# Altium PCB Shuttler_AMC.PcbDoc (part 11 of 12)
Units mm, origin at the board's own origin, x right, y up, seen from the top; angles counter-clockwise.
Board outline 180.71 x 148.55 mm, 12 copper layers (Layer 1, Layer 2, Layer 3, Layer 4, Layer 5, Layer 6, Layer 7, Layer 8, Layer 9, Layer 10, Layer 11, Layer 12), stack 2.14 mm thick; 1184 components, 1698 nets, 9088 pads, 920 vias.
Unrouted connection lines stored in the file: 1441.
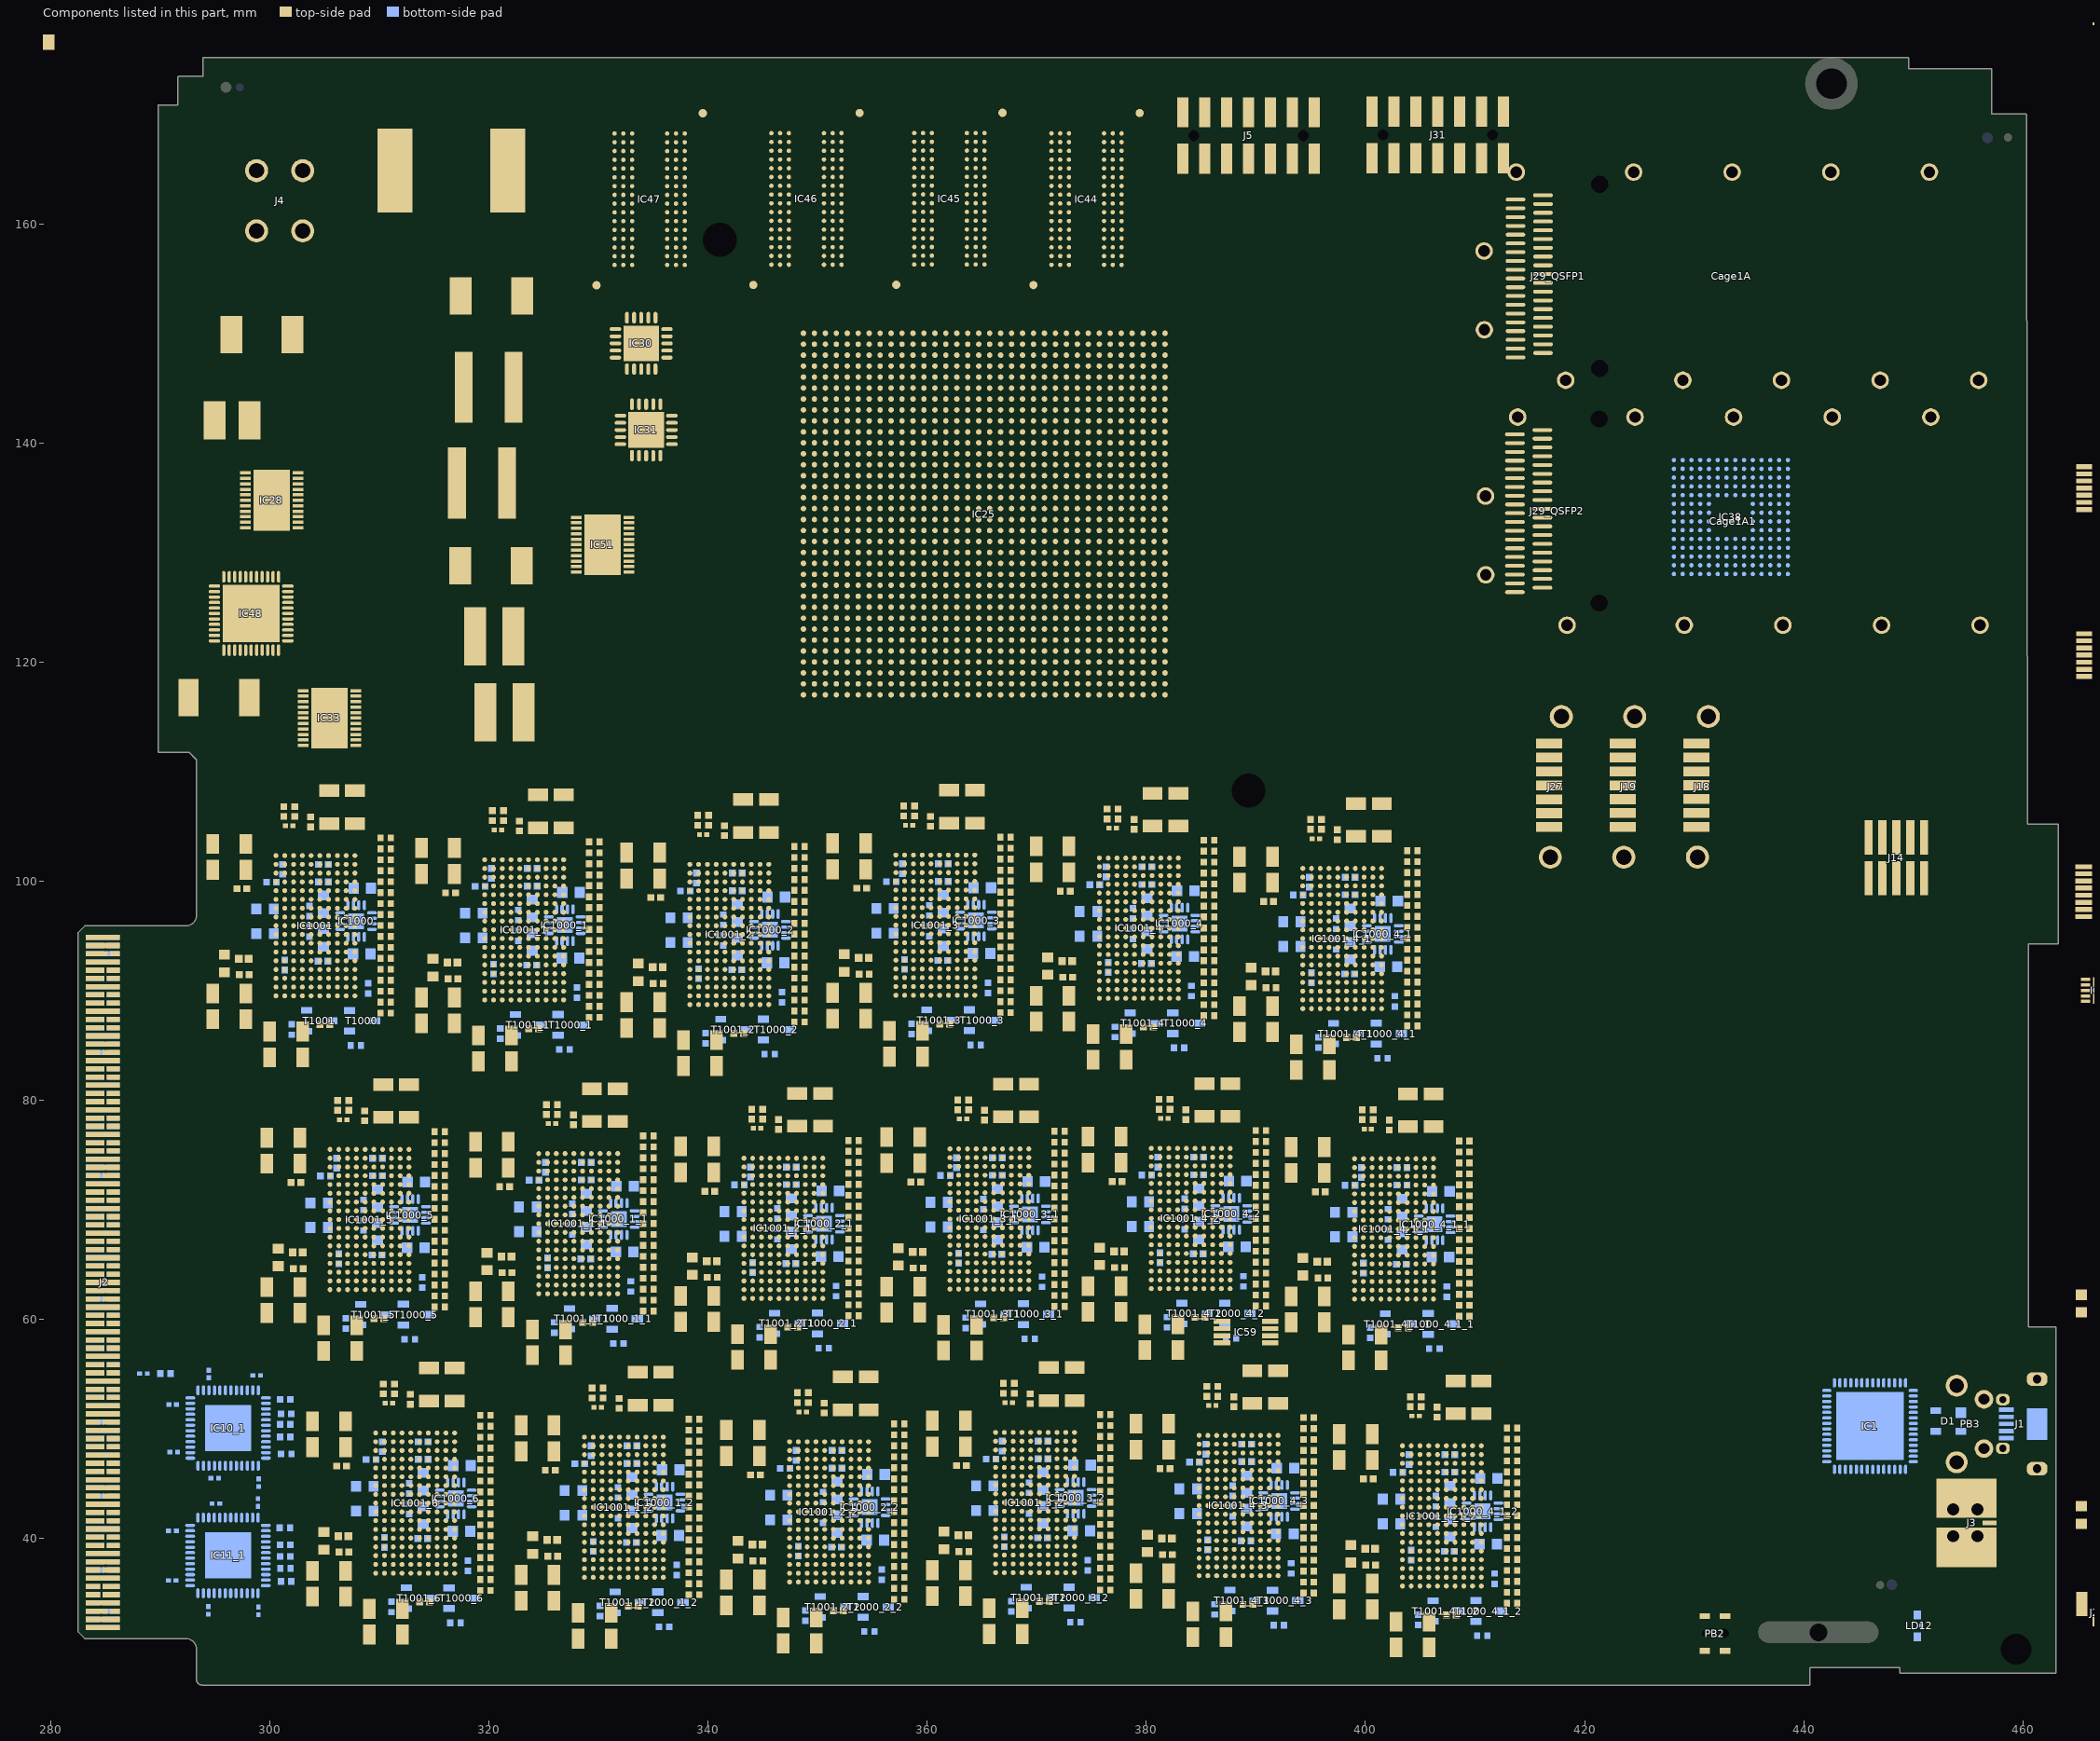
[diagram p17: the components of this part, seen from the top]

## Via types
v1: diameter 0.356, hole 0.155, Layer 1 to Layer 12, 431 vias
v2: diameter 0.3, hole 0.1, Layer 1 to Layer 12, 429 vias
v3: diameter 0.6, hole 0.3, Layer 1 to Layer 12, 38 vias
v4: diameter 0.406, hole 0.203, Layer 1 to Layer 12, 22 vias

## Nets (pads, with @x,y where several pads share a name; then routed paths per layer and width w, separated by ;. In a path a pad name is that pad's centre, name@x,y a point inside that pad or via, vN(x,y) a via of type N, cw(c..) or ccw(c..) an arc to the next point about the centre after c; other vN are vias at no path point) (continued)
copper on no net: (continued)
  Layer 1 w0.136: 382.919,90.125 383.172,90.125 385.05,88.247 385.695,88.247 385.953,88.505 385.973,88.505 386.195,88.727 386.195,88.747 v2(386.85,88.747) ; 382.919,90.925 383.247,90.925 384.925,89.247 385.694,89.247 385.953,89.506 385.973,89.506 386.195,89.728 ; 382.919,91.725 383.3,91.725 384.778,90.247 385.695,90.247 385.953,90.505 385.973,90.505 386.195,90.727 386.195,90.747 v2(386.85,90.747) ; 382.919,92.525 383.447,92.525 384.725,91.247 385.695,91.247 385.953,91.505 385.973,91.505 386.195,91.727 386.195,91.747 v2(386.85,91.747) ; 382.919,93.325 383.805,93.325 384.883,92.247 385.695,92.247 385.953,92.505 385.973,92.505 386.195,92.727 386.195,92.747 v2(386.85,92.747) ; 382.919,94.125 383.784,94.125 384.662,93.247 385.695,93.247 385.953,93.505 385.973,93.505 386.195,93.727 386.195,93.747 v2(386.85,93.747) ; 382.919,94.925 383.747,94.925 384.425,94.247 385.695,94.247 385.953,94.505 385.973,94.505 386.195,94.727 386.195,94.747 v2(386.85,94.747) ; 382.919,95.725 383.766,95.725 383.98,95.511 384.361,95.511 384.625,95.247 385.695,95.247 385.953,95.505 385.973,95.505 386.195,95.727 386.195,95.747 v2(386.85,95.747) ; 382.919,96.525 383.481,96.525 383.847,96.525 384.125,96.247 385.695,96.247 385.953,96.505 385.973,96.505 386.195,96.727 386.195,96.747 v2(386.85,96.747) ; 382.919,97.325 383.503,97.325 383.847,97.325 383.925,97.247 385.695,97.247 385.953,97.505 385.973,97.505 386.195,97.727 386.195,97.747 v2(386.85,97.747) ; 382.919,98.125 383.403,98.125 383.903,98.125 384.025,98.247 385.695,98.247 385.953,98.505 385.973,98.505 386.195,98.727 386.195,98.747 v2(386.85,98.747) ; 382.919,98.925 383.403,98.925 383.903,98.925 384.225,99.247 385.695,99.247 385.953,99.505 385.973,99.505 386.195,99.727 386.195,99.747 v2(386.85,99.747) ; 382.919,99.725 383.253,99.725 383.803,99.725 384.325,100.247 385.695,100.247 385.953,100.505 385.973,100.505 386.195,100.727 386.195,100.747 v2(386.85,100.747) ; 382.919,100.525 382.944,100.55 383.228,100.55 383.828,100.55 384.525,101.247 385.695,101.247 385.953,101.505 385.973,101.505 386.195,101.727 386.195,101.747 v2(386.85,101.747) ; 382.919,101.325 382.944,101.35 383.228,101.35 383.628,101.35 384.525,102.247 385.695,102.247 385.953,102.505 385.973,102.505 386.195,102.727 386.195,102.747 v2(386.85,102.747) ; 382.919,102.125 382.944,102.15 383.378,102.15 384.475,103.247 385.695,103.247 385.953,103.505 385.973,103.505 386.195,103.727 386.195,103.747 v2(386.85,103.747) ; 382.922,89.322 382.919,89.325 382.919,88.553 384.325,87.147 385.625,87.147 385.973,87.495 385.973,87.525 386.195,87.747 v2(386.85,87.747) ; 385.525,52.997 385.525,52.641 385.684,52.482 385.684,52.158 385.695,52.147 385.695,51.639 385.887,51.447 385.887,49.693 385.619,49.425 ; 386.195,89.748 386.195,89.728 ; 386.419,49.425 386.151,49.693 386.151,51.447 386.355,51.651 386.355,52.147 386.36,52.152 386.36,52.482 386.525,52.647 386.525,52.997 ; 386.85,63.222 387.931,63.222 388.181,62.972 388.181,62.197 389.131,61.247 389.986,61.247 ; 386.85,64.025 387.853,64.025 389.631,62.247 389.986,62.247 ; 386.85,64.825 387.978,64.825 389.555,63.248 389.986,63.248 ; 386.85,65.625 388.103,65.625 389.481,64.247 389.986,64.247 ; 386.85,66.425 388.353,66.425 389.531,65.247 389.986,65.247 ; 386.85,67.225 388.528,67.225 389.506,66.247 389.986,66.247 ; 386.85,68.025 388.478,68.025 389.256,67.247 389.986,67.247 ; 386.85,68.825 387.806,68.825 387.856,68.775 388.728,68.775 389.256,68.247 389.986,68.247 ; 386.85,69.625 388.431,69.625 388.809,69.247 389.986,69.247 ; 386.85,70.425 388.653,70.425 388.831,70.247 389.986,70.247 ; 386.85,71.222 389.961,71.222 389.986,71.247 ; 386.85,72.025 388.684,72.025 388.906,72.247 389.986,72.247 ; 386.85,72.825 388.584,72.825 389.006,73.247 389.986,73.247 ; 386.85,73.625 388.556,73.625 389.178,74.247 389.986,74.247 ; 386.85,74.425 386.857,74.432 388.483,74.432 389.298,75.247 389.986,75.247 ; 386.85,75.225 386.857,75.232 388.241,75.232 389.256,76.247 389.986,76.247 ; 386.85,75.625 388.472,77.247 389.986,77.247 ; v2(386.85,89.728) 386.195,89.728 ; 387.65,63.625 387.903,63.625 389.781,61.747 390.426,61.747 390.684,62.005 390.704,62.005 390.926,62.227 390.926,62.247 v2(391.581,62.247) ; 387.65,64.425 387.978,64.425 389.656,62.747 390.425,62.747 390.684,63.006 390.704,63.006 390.926,63.228 ; 387.65,65.225 388.031,65.225 389.509,63.747 390.426,63.747 390.684,64.005 390.704,64.005 390.926,64.227 390.926,64.247 v2(391.581,64.247) ; 387.65,66.025 388.178,66.025 389.456,64.747 390.426,64.747 390.684,65.005 390.704,65.005 390.926,65.227 390.926,65.247 v2(391.581,65.247) ; 387.65,66.825 388.536,66.825 389.614,65.747 390.426,65.747 390.684,66.005 390.704,66.005 390.926,66.227 390.926,66.247 v2(391.581,66.247) ; 387.65,67.625 388.515,67.625 389.393,66.747 390.426,66.747 390.684,67.005 390.704,67.005 390.926,67.227 390.926,67.247 v2(391.581,67.247) ; 387.65,68.425 388.478,68.425 389.156,67.747 390.426,67.747 390.684,68.005 390.704,68.005 390.926,68.227 390.926,68.247 v2(391.581,68.247) ; 387.65,69.225 388.497,69.225 388.711,69.011 389.092,69.011 389.356,68.747 390.426,68.747 390.684,69.005 390.704,69.005 390.926,69.227 390.926,69.247 v2(391.581,69.247) ; 387.65,70.025 388.212,70.025 388.578,70.025 388.856,69.747 390.426,69.747 390.684,70.005 390.704,70.005 390.926,70.227 390.926,70.247 v2(391.581,70.247) ; 387.65,70.825 388.234,70.825 388.578,70.825 388.656,70.747 390.426,70.747 390.684,71.005 390.704,71.005 390.926,71.227 390.926,71.247 v2(391.581,71.247) ; 387.65,71.625 388.134,71.625 388.634,71.625 388.756,71.747 390.426,71.747 390.684,72.005 390.704,72.005 390.926,72.227 390.926,72.247 v2(391.581,72.247) ; 387.65,72.425 388.134,72.425 388.634,72.425 388.956,72.747 390.426,72.747 390.684,73.005 390.704,73.005 390.926,73.227 390.926,73.247 v2(391.581,73.247) ; 387.65,74.025 387.675,74.05 387.959,74.05 388.559,74.05 389.256,74.747 390.426,74.747 390.684,75.005 390.704,75.005 390.926,75.227 390.926,75.247 v2(391.581,75.247) ; 387.65,74.825 387.675,74.85 387.959,74.85 388.359,74.85 389.256,75.747 390.426,75.747 390.684,76.005 390.704,76.005 390.926,76.227 390.926,76.247 v2(391.581,76.247) ; 387.65,75.625 387.675,75.65 388.109,75.65 389.206,76.747 390.426,76.747 390.684,77.005 390.704,77.005 390.926,77.227 390.926,77.247 v2(391.581,77.247) ; 387.65,73.225 387.984,73.225 388.534,73.225 389.056,73.747 390.426,73.747 390.684,74.005 390.704,74.005 390.926,74.227 390.926,74.247 v2(391.581,74.247) ; 387.653,62.822 387.65,62.825 387.65,62.053 389.056,60.647 390.356,60.647 390.704,60.995 390.704,61.025 390.926,61.247 v2(391.581,61.247) ; 390.926,63.248 390.926,63.228 ; 391.219,37.022 392.3,37.022 392.55,36.772 392.55,35.997 393.5,35.047 394.355,35.047 ; 391.219,37.825 392.222,37.825 394,36.047 394.355,36.047 ; 391.219,38.625 392.347,38.625 393.924,37.048 394.355,37.048 ; 391.219,39.425 392.472,39.425 393.85,38.047 394.355,38.047 ; 391.219,40.225 392.722,40.225 393.9,39.047 394.355,39.047 ; 391.219,41.025 392.897,41.025 393.875,40.047 394.355,40.047 ; 391.219,41.825 392.847,41.825 393.625,41.047 394.355,41.047 ; 391.219,42.625 392.175,42.625 392.225,42.575 393.097,42.575 393.625,42.047 394.355,42.047 ; 391.219,43.425 392.8,43.425 393.178,43.047 394.355,43.047 ; 391.219,44.225 393.022,44.225 393.2,44.047 394.355,44.047 ; 391.219,45.022 394.33,45.022 394.355,45.047 ; 391.219,45.825 393.053,45.825 393.275,46.047 394.355,46.047 ; 391.219,46.625 392.953,46.625 393.375,47.047 394.355,47.047 ; 391.219,47.425 392.925,47.425 393.547,48.047 394.355,48.047 ; 391.219,48.225 391.226,48.232 392.852,48.232 393.667,49.047 394.355,49.047 ; 391.219,49.025 391.226,49.032 392.61,49.032 393.625,50.047 394.355,50.047 ; 391.219,49.425 392.841,51.047 394.355,51.047 ; v2(391.581,63.228) 390.926,63.228 ; 392.019,37.425 392.272,37.425 394.15,35.547 394.795,35.547 395.053,35.805 395.073,35.805 395.295,36.027 395.295,36.047 v2(395.95,36.047) ; 392.019,38.225 392.347,38.225 394.025,36.547 394.794,36.547 395.053,36.806 395.073,36.806 395.295,37.028 ; 392.019,39.025 392.4,39.025 393.878,37.547 394.795,37.547 395.053,37.805 395.073,37.805 395.295,38.027 395.295,38.047 v2(395.95,38.047) ; 392.019,39.825 392.547,39.825 393.825,38.547 394.795,38.547 395.053,38.805 395.073,38.805 395.295,39.027 395.295,39.047 v2(395.95,39.047) ; 392.019,40.625 392.905,40.625 393.983,39.547 394.795,39.547 395.053,39.805 395.073,39.805 395.295,40.027 395.295,40.047 v2(395.95,40.047) ; 392.019,41.425 392.884,41.425 393.762,40.547 394.795,40.547 395.053,40.805 395.073,40.805 395.295,41.027 395.295,41.047 v2(395.95,41.047) ; 392.019,42.225 392.847,42.225 393.525,41.547 394.795,41.547 395.053,41.805 395.073,41.805 395.295,42.027 395.295,42.047 v2(395.95,42.047) ; 392.019,43.025 392.866,43.025 393.08,42.811 393.461,42.811 393.725,42.547 394.795,42.547 395.053,42.805 395.073,42.805 395.295,43.027 395.295,43.047 v2(395.95,43.047) ; 392.019,43.825 392.581,43.825 392.947,43.825 393.225,43.547 394.795,43.547 395.053,43.805 395.073,43.805 395.295,44.027 395.295,44.047 v2(395.95,44.047) ; 392.019,44.625 392.603,44.625 392.947,44.625 393.025,44.547 394.795,44.547 395.053,44.805 395.073,44.805 395.295,45.027 395.295,45.047 v2(395.95,45.047) ; 392.019,45.425 392.503,45.425 393.003,45.425 393.125,45.547 394.795,45.547 395.053,45.805 395.073,45.805 395.295,46.027 395.295,46.047 v2(395.95,46.047) ; 392.019,46.225 392.503,46.225 393.003,46.225 393.325,46.547 394.795,46.547 395.053,46.805 395.073,46.805 395.295,47.027 395.295,47.047 v2(395.95,47.047) ; 392.019,47.825 392.044,47.85 392.328,47.85 392.928,47.85 393.625,48.547 394.795,48.547 395.053,48.805 395.073,48.805 395.295,49.027 395.295,49.047 v2(395.95,49.047) ; 392.019,48.625 392.044,48.65 392.328,48.65 392.728,48.65 393.625,49.547 394.795,49.547 395.053,49.805 395.073,49.805 395.295,50.027 395.295,50.047 v2(395.95,50.047) ; 392.019,49.425 392.044,49.45 392.478,49.45 393.575,50.547 394.795,50.547 395.053,50.805 395.073,50.805 395.295,51.027 395.295,51.047 v2(395.95,51.047) ; 392.019,47.025 392.353,47.025 392.903,47.025 393.425,47.547 394.795,47.547 395.053,47.805 395.073,47.805 395.295,48.027 395.295,48.047 v2(395.95,48.047) ; 392.022,36.622 392.019,36.625 392.019,35.853 393.425,34.447 394.725,34.447 395.073,34.795 395.073,34.825 395.295,35.047 v2(395.95,35.047) ; 394.981,104.75 394.981,104.394 395.14,104.235 395.14,103.911 395.151,103.9 395.151,103.392 395.343,103.2 395.343,101.446 395.075,101.178 ; 395.295,37.048 395.295,37.028 ; 395.875,101.178 395.607,101.446 395.607,103.2 395.811,103.404 395.811,103.9 395.816,103.905 395.816,104.235 395.981,104.4 395.981,104.75 ; v2(395.95,37.028) 395.295,37.028 ; 399.712,78.25 399.712,77.894 399.871,77.735 399.871,77.411 399.882,77.4 399.882,76.892 400.074,76.7 400.074,74.946 399.806,74.678 ; 400.606,74.678 400.338,74.946 400.338,76.7 400.542,76.904 400.542,77.4 400.547,77.405 400.547,77.735 400.712,77.9 400.712,78.25 ; 400.675,88.775 401.756,88.775 402.006,88.525 402.006,87.75 402.956,86.8 403.811,86.8 ; 400.675,89.578 401.678,89.578 403.456,87.8 403.811,87.8 ; 400.675,90.378 401.803,90.378 403.38,88.801 403.811,88.801 ; 400.675,91.178 401.928,91.178 403.306,89.8 403.811,89.8 ; 400.675,91.978 402.178,91.978 403.356,90.8 403.811,90.8 ; 400.675,92.778 402.353,92.778 403.331,91.8 403.811,91.8 ; 400.675,93.578 402.303,93.578 403.081,92.8 403.811,92.8 ; 400.675,94.378 401.631,94.378 401.681,94.328 402.553,94.328 403.081,93.8 403.811,93.8 ; 400.675,95.178 402.256,95.178 402.634,94.8 403.811,94.8 ; 400.675,95.978 402.478,95.978 402.656,95.8 403.811,95.8 ; 400.675,96.775 403.786,96.775 403.811,96.8 ; 400.675,97.578 402.509,97.578 402.731,97.8 403.811,97.8 ; 400.675,98.378 402.409,98.378 402.831,98.8 403.811,98.8 ; 400.675,99.178 402.381,99.178 403.003,99.8 403.811,99.8 ; 400.675,99.978 400.682,99.985 402.308,99.985 403.123,100.8 403.811,100.8 ; 400.675,100.778 400.682,100.785 402.066,100.785 403.081,101.8 403.811,101.8 ; 400.675,101.178 402.297,102.8 403.811,102.8 ; 401.475,89.178 401.728,89.178 403.606,87.3 404.251,87.3 404.509,87.558 404.529,87.558 404.751,87.78 404.751,87.8 v2(405.406,87.8) ; 401.475,89.978 401.803,89.978 403.481,88.3 404.25,88.3 404.509,88.559 404.529,88.559 404.751,88.781 ; 401.475,90.778 401.856,90.778 403.334,89.3 404.251,89.3 404.509,89.558 404.529,89.558 404.751,89.78 404.751,89.8 v2(405.406,89.8) ; 401.475,91.578 402.003,91.578 403.281,90.3 404.251,90.3 404.509,90.558 404.529,90.558 404.751,90.78 404.751,90.8 v2(405.406,90.8) ; 401.475,92.378 402.361,92.378 403.439,91.3 404.251,91.3 404.509,91.558 404.529,91.558 404.751,91.78 404.751,91.8 v2(405.406,91.8) ; 401.475,93.178 402.34,93.178 403.218,92.3 404.251,92.3 404.509,92.558 404.529,92.558 404.751,92.78 404.751,92.8 v2(405.406,92.8) ; 401.475,93.978 402.303,93.978 402.981,93.3 404.251,93.3 404.509,93.558 404.529,93.558 404.751,93.78 404.751,93.8 v2(405.406,93.8) ; 401.475,94.778 402.322,94.778 402.536,94.564 402.917,94.564 403.181,94.3 404.251,94.3 404.509,94.558 404.529,94.558 404.751,94.78 404.751,94.8 v2(405.406,94.8) ; 401.475,95.578 402.037,95.578 402.403,95.578 402.681,95.3 404.251,95.3 404.509,95.558 404.529,95.558 404.751,95.78 404.751,95.8 v2(405.406,95.8) ; 401.475,96.378 402.059,96.378 402.403,96.378 402.481,96.3 404.251,96.3 404.509,96.558 404.529,96.558 404.751,96.78 404.751,96.8 v2(405.406,96.8) ; 401.475,97.178 401.959,97.178 402.459,97.178 402.581,97.3 404.251,97.3 404.509,97.558 404.529,97.558 404.751,97.78 404.751,97.8 v2(405.406,97.8) ; 401.475,97.978 401.959,97.978 402.459,97.978 402.781,98.3 404.251,98.3 404.509,98.558 404.529,98.558 404.751,98.78 404.751,98.8 v2(405.406,98.8) ; 401.475,98.778 401.809,98.778 402.359,98.778 402.881,99.3 404.251,99.3 404.509,99.558 404.529,99.558 404.751,99.78 404.751,99.8 v2(405.406,99.8) ; 401.475,99.578 401.5,99.603 401.784,99.603 402.384,99.603 403.081,100.3 404.251,100.3 404.509,100.558 404.529,100.558 404.751,100.78 404.751,100.8 v2(405.406,100.8) ; 401.475,100.378 401.5,100.403 401.784,100.403 402.184,100.403 403.081,101.3 404.251,101.3 404.509,101.558 404.529,101.558 404.751,101.78 404.751,101.8 v2(405.406,101.8) ; 401.475,101.178 401.5,101.203 401.934,101.203 403.031,102.3 404.251,102.3 404.509,102.558 404.529,102.558 404.751,102.78 404.751,102.8 v2(405.406,102.8) ; 401.478,88.375 401.475,88.378 401.475,87.606 402.881,86.2 404.181,86.2 404.529,86.548 404.529,86.578 404.751,86.8 v2(405.406,86.8) ; 404.081,52.05 404.081,51.694 404.24,51.535 404.24,51.211 404.251,51.2 404.251,50.692 404.443,50.5 404.443,48.746 404.175,48.478 ; 404.751,88.801 404.751,88.781 ; 404.975,48.478 404.707,48.746 404.707,50.5 404.911,50.704 404.911,51.2 404.916,51.205 404.916,51.535 405.081,51.7 405.081,52.05 ; 405.406,62.275 406.487,62.275 406.737,62.025 406.737,61.25 407.687,60.3 408.542,60.3 ; 405.406,63.078 406.409,63.078 408.187,61.3 408.542,61.3 ; 405.406,63.878 406.534,63.878 408.111,62.301 408.542,62.301 ; 405.406,64.678 406.659,64.678 408.037,63.3 408.542,63.3 ; 405.406,65.478 406.909,65.478 408.087,64.3 408.542,64.3 ; 405.406,66.278 407.084,66.278 408.062,65.3 408.542,65.3 ; 405.406,67.078 407.034,67.078 407.812,66.3 408.542,66.3 ; 405.406,67.878 406.362,67.878 406.412,67.828 407.284,67.828 407.812,67.3 408.542,67.3 ; 405.406,68.678 406.987,68.678 407.365,68.3 408.542,68.3 ; 405.406,69.478 407.209,69.478 407.387,69.3 408.542,69.3 ; 405.406,70.275 408.517,70.275 408.542,70.3 ; 405.406,71.078 407.24,71.078 407.462,71.3 408.542,71.3 ; 405.406,71.878 407.14,71.878 407.562,72.3 408.542,72.3 ; 405.406,72.678 407.112,72.678 407.734,73.3 408.542,73.3 ; 405.406,73.478 405.413,73.485 407.039,73.485 407.854,74.3 408.542,74.3 ; 405.406,74.278 405.413,74.285 406.797,74.285 407.812,75.3 408.542,75.3 ; 405.406,74.678 407.028,76.3 408.542,76.3 ; v2(405.406,88.781) 404.751,88.781 ; 406.206,62.678 406.459,62.678 408.337,60.8 408.982,60.8 409.24,61.058 409.26,61.058 409.482,61.28 409.482,61.3 v2(410.137,61.3) ; 406.206,63.478 406.534,63.478 408.212,61.8 408.981,61.8 409.24,62.059 409.26,62.059 409.482,62.281 ; 406.206,64.278 406.587,64.278 408.065,62.8 408.982,62.8 409.24,63.058 409.26,63.058 409.482,63.28 409.482,63.3 v2(410.137,63.3) ; 406.206,65.078 406.734,65.078 408.012,63.8 408.982,63.8 409.24,64.058 409.26,64.058 409.482,64.28 409.482,64.3 v2(410.137,64.3) ; 406.206,65.878 407.092,65.878 408.17,64.8 408.982,64.8 409.24,65.058 409.26,65.058 409.482,65.28 409.482,65.3 v2(410.137,65.3) ; 406.206,66.678 407.071,66.678 407.949,65.8 408.982,65.8 409.24,66.058 409.26,66.058 409.482,66.28 409.482,66.3 v2(410.137,66.3) ; 406.206,67.478 407.034,67.478 407.712,66.8 408.982,66.8 409.24,67.058 409.26,67.058 409.482,67.28 409.482,67.3 v2(410.137,67.3) ; 406.206,68.278 407.053,68.278 407.267,68.064 407.648,68.064 407.912,67.8 408.982,67.8 409.24,68.058 409.26,68.058 409.482,68.28 409.482,68.3 v2(410.137,68.3) ; 406.206,69.078 406.768,69.078 407.134,69.078 407.412,68.8 408.982,68.8 409.24,69.058 409.26,69.058 409.482,69.28 409.482,69.3 v2(410.137,69.3) ; 406.206,69.878 406.79,69.878 407.134,69.878 407.212,69.8 408.982,69.8 409.24,70.058 409.26,70.058 409.482,70.28 409.482,70.3 v2(410.137,70.3) ; 406.206,70.678 406.69,70.678 407.19,70.678 407.312,70.8 408.982,70.8 409.24,71.058 409.26,71.058 409.482,71.28 409.482,71.3 v2(410.137,71.3) ; 406.206,71.478 406.69,71.478 407.19,71.478 407.512,71.8 408.982,71.8 409.24,72.058 409.26,72.058 409.482,72.28 409.482,72.3 v2(410.137,72.3) ; 406.206,73.078 406.231,73.103 406.515,73.103 407.115,73.103 407.812,73.8 408.982,73.8 409.24,74.058 409.26,74.058 409.482,74.28 409.482,74.3 v2(410.137,74.3) ; 406.206,73.878 406.231,73.903 406.515,73.903 406.915,73.903 407.812,74.8 408.982,74.8 409.24,75.058 409.26,75.058 409.482,75.28 409.482,75.3 v2(410.137,75.3) ; 406.206,74.678 406.231,74.703 406.665,74.703 407.762,75.8 408.982,75.8 409.24,76.058 409.26,76.058 409.482,76.28 409.482,76.3 v2(410.137,76.3) ; 406.206,72.278 406.54,72.278 407.09,72.278 407.612,72.8 408.982,72.8 409.24,73.058 409.26,73.058 409.482,73.28 409.482,73.3 v2(410.137,73.3) ; 406.209,61.875 406.206,61.878 406.206,61.106 407.612,59.7 408.912,59.7 409.26,60.048 409.26,60.078 409.482,60.3 v2(410.137,60.3) ; 409.482,62.301 409.482,62.281 ; 409.775,36.075 410.856,36.075 411.106,35.825 411.106,35.05 412.056,34.1 412.911,34.1 ; 409.775,36.878 410.778,36.878 412.556,35.1 412.911,35.1 ; 409.775,37.678 410.903,37.678 412.48,36.101 412.911,36.101 ; 409.775,38.478 411.028,38.478 412.406,37.1 412.911,37.1 ; 409.775,39.278 411.278,39.278 412.456,38.1 412.911,38.1 ; 409.775,40.078 411.453,40.078 412.431,39.1 412.911,39.1 ; 409.775,40.878 411.403,40.878 412.181,40.1 412.911,40.1 ; 409.775,41.678 410.731,41.678 410.781,41.628 411.653,41.628 412.181,41.1 412.911,41.1 ; 409.775,42.478 411.356,42.478 411.734,42.1 412.911,42.1 ; 409.775,43.278 411.578,43.278 411.756,43.1 412.911,43.1 ; 409.775,44.075 412.886,44.075 412.911,44.1 ; 409.775,44.878 411.609,44.878 411.831,45.1 412.911,45.1 ; 409.775,45.678 411.509,45.678 411.931,46.1 412.911,46.1 ; 409.775,46.478 411.481,46.478 412.103,47.1 412.911,47.1 ; 409.775,47.278 409.782,47.285 411.408,47.285 412.223,48.1 412.911,48.1 ; 409.775,48.078 409.782,48.085 411.166,48.085 412.181,49.1 412.911,49.1 ; 409.775,48.478 411.397,50.1 412.911,50.1 ; v2(410.137,62.281) 409.482,62.281 ; 410.575,36.478 410.828,36.478 412.706,34.6 413.351,34.6 413.609,34.858 413.629,34.858 413.851,35.08 413.851,35.1 v2(414.506,35.1) ; 410.575,37.278 410.903,37.278 412.581,35.6 413.35,35.6 413.609,35.859 413.629,35.859 413.851,36.081 ; 410.575,38.078 410.956,38.078 412.434,36.6 413.351,36.6 413.609,36.858 413.629,36.858 413.851,37.08 413.851,37.1 v2(414.506,37.1) ; 410.575,38.878 411.103,38.878 412.381,37.6 413.351,37.6 413.609,37.858 413.629,37.858 413.851,38.08 413.851,38.1 v2(414.506,38.1) ; 410.575,39.678 411.461,39.678 412.539,38.6 413.351,38.6 413.609,38.858 413.629,38.858 413.851,39.08 413.851,39.1 v2(414.506,39.1) ; 410.575,40.478 411.44,40.478 412.318,39.6 413.351,39.6 413.609,39.858 413.629,39.858 413.851,40.08 413.851,40.1 v2(414.506,40.1) ; 410.575,41.278 411.403,41.278 412.081,40.6 413.351,40.6 413.609,40.858 413.629,40.858 413.851,41.08 413.851,41.1 

## Text inside footprints (layer, text, board x,y; h text height)
IC1001_4_2: Mechanical 14 "P" at 378.85,64.975 h0.6; Mechanical 14 "N" at 378.85,65.775 h0.6; Mechanical 14 "M" at 378.85,66.575 h0.6; Mechanical 14 "L" at 378.85,67.375 h0.6; Mechanical 14 "Q" at 378.85,64.175 h0.6; Mechanical 14 "J" at 378.85,68.975 h0.6; Mechanical 14 "A" at 378.85,75.375 h0.6; Mechanical 14 "B" at 378.85,74.575 h0.6; Mechanical 14 "C" at 378.85,73.775 h0.6; Mechanical 14 "D" at 378.85,72.975 h0.6; Mechanical 14 "E" at 378.85,72.175 h0.6; Mechanical 14 "F" at 378.85,71.375 h0.6; Mechanical 14 "G" at 378.85,70.575 h0.6; Mechanical 14 "H" at 378.85,69.775 h0.6; Mechanical 14 "K" at 378.85,68.175 h0.6; Mechanical 14 "9" at 386.675,76.825 h0.6; Mechanical 14 "8" at 385.875,76.825 h0.6; Mechanical 14 "7" at 385.075,76.825 h0.6; Mechanical 14 "6" at 384.275,76.825 h0.6; Mechanical 14 "5" at 383.475,76.825 h0.6; Mechanical 14 "4" at 382.675,76.825 h0.6; Mechanical 14 "3" at 381.875,76.825 h0.6; Mechanical 14 "1" at 380.275,76.825 h0.6; Mechanical 14 "2" at 380.975,76.825 h0.6; Mechanical 14 "10" at 387.475,76.825 h0.6; Mechanical 14 "S" at 378.85,62.575 h0.6; Mechanical 14 "R" at 378.85,63.375 h0.6
IC1001_4_3: Mechanical 14 "P" at 383.219,38.775 h0.6; Mechanical 14 "N" at 383.219,39.575 h0.6; Mechanical 14 "M" at 383.219,40.375 h0.6; Mechanical 14 "L" at 383.219,41.175 h0.6; Mechanical 14 "Q" at 383.219,37.975 h0.6; Mechanical 14 "J" at 383.219,42.775 h0.6; Mechanical 14 "A" at 383.219,49.175 h0.6; Mechanical 14 "B" at 383.219,48.375 h0.6; Mechanical 14 "C" at 383.219,47.575 h0.6; Mechanical 14 "D" at 383.219,46.775 h0.6; Mechanical 14 "E" at 383.219,45.975 h0.6; Mechanical 14 "F" at 383.219,45.175 h0.6; Mechanical 14 "G" at 383.219,44.375 h0.6; Mechanical 14 "H" at 383.219,43.575 h0.6; Mechanical 14 "K" at 383.219,41.975 h0.6; Mechanical 14 "9" at 391.044,50.625 h0.6; Mechanical 14 "8" at 390.244,50.625 h0.6; Mechanical 14 "7" at 389.444,50.625 h0.6; Mechanical 14 "6" at 388.644,50.625 h0.6; Mechanical 14 "5" at 387.844,50.625 h0.6; Mechanical 14 "4" at 387.044,50.625 h0.6; Mechanical 14 "3" at 386.244,50.625 h0.6; Mechanical 14 "1" at 384.644,50.625 h0.6; Mechanical 14 "2" at 385.344,50.625 h0.6; Mechanical 14 "10" at 391.844,50.625 h0.6; Mechanical 14 "S" at 383.219,36.375 h0.6; Mechanical 14 "R" at 383.219,37.175 h0.6
IC1001_5: Mechanical 14 "P" at 303.9,64.878 h0.6; Mechanical 14 "N" at 303.9,65.678 h0.6; Mechanical 14 "M" at 303.9,66.478 h0.6; Mechanical 14 "L" at 303.9,67.278 h0.6; Mechanical 14 "Q" at 303.9,64.078 h0.6; Mechanical 14 "J" at 303.9,68.878 h0.6; Mechanical 14 "A" at 303.9,75.278 h0.6; Mechanical 14 "B" at 303.9,74.478 h0.6; Mechanical 14 "C" at 303.9,73.678 h0.6; Mechanical 14 "D" at 303.9,72.878 h0.6; Mechanical 14 "E" at 303.9,72.078 h0.6; Mechanical 14 "F" at 303.9,71.278 h0.6; Mechanical 14 "G" at 303.9,70.478 h0.6; Mechanical 14 "H" at 303.9,69.678 h0.6; Mechanical 14 "K" at 303.9,68.078 h0.6; Mechanical 14 "9" at 311.725,76.728 h0.6; Mechanical 14 "8" at 310.925,76.728 h0.6; Mechanical 14 "7" at 310.125,76.728 h0.6; Mechanical 14 "6" at 309.325,76.728 h0.6; Mechanical 14 "5" at 308.525,76.728 h0.6; Mechanical 14 "4" at 307.725,76.728 h0.6; Mechanical 14 "3" at 306.925,76.728 h0.6; Mechanical 14 "1" at 305.325,76.728 h0.6; Mechanical 14 "2" at 306.025,76.728 h0.6; Mechanical 14 "10" at 312.525,76.728 h0.6; Mechanical 14 "S" at 303.9,62.478 h0.6; Mechanical 14 "R" at 303.9,63.278 h0.6
IC1001_6: Mechanical 14 "P" at 308.069,39 h0.6; Mechanical 14 "N" at 308.069,39.8 h0.6; Mechanical 14 "M" at 308.069,40.6 h0.6; Mechanical 14 "L" at 308.069,41.4 h0.6; Mechanical 14 "Q" at 308.069,38.2 h0.6; Mechanical 14 "J" at 308.069,43 h0.6; Mechanical 14 "A" at 308.069,49.4 h0.6; Mechanical 14 "B" at 308.069,48.6 h0.6; Mechanical 14 "C" at 308.069,47.8 h0.6; Mechanical 14 "D" at 308.069,47 h0.6; Mechanical 14 "E" at 308.069,46.2 h0.6; Mechanical 14 "F" at 308.069,45.4 h0.6; Mechanical 14 "G" at 308.069,44.6 h0.6; Mechanical 14 "H" at 308.069,43.8 h0.6; Mechanical 14 "K" at 308.069,42.2 h0.6; Mechanical 14 "9" at 315.894,50.85 h0.6; Mechanical 14 "8" at 315.094,50.85 h0.6; Mechanical 14 "7" at 314.294,50.85 h0.6; Mechanical 14 "6" at 313.494,50.85 h0.6; Mechanical 14 "5" at 312.694,50.85 h0.6; Mechanical 14 "4" at 311.894,50.85 h0.6; Mechanical 14 "3" at 311.094,50.85 h0.6; Mechanical 14 "1" at 309.494,50.85 h0.6; Mechanical 14 "2" at 310.194,50.85 h0.6; Mechanical 14 "10" at 316.694,50.85 h0.6; Mechanical 14 "S" at 308.069,36.6 h0.6; Mechanical 14 "R" at 308.069,37.4 h0.6
J4: Top Overlay "4" at 303.767,155.925 h1; Top Overlay "1" at 295.308,165.707 h1; Mechanical 14 "4" at 303.767,155.925 h1; Mechanical 14 "1" at 295.308,165.707 h1
J29_QSFP1: Top Overlay "1" at 418.345,148.725 h1 r180; Top Overlay "19" at 419.345,163.125 h1 r180; Top Overlay "20" at 411.745,162.625 h1 r180; Top Overlay "38" at 411.745,148.225 h1 r180; Mechanical 14 "38" at 411.745,148.225 h1 r180; Mechanical 14 "20" at 411.745,162.625 h1 r180; Mechanical 14 "19" at 419.345,163.125 h1 r180; Mechanical 14 "1" at 418.345,148.725 h1 r180
J29_QSFP2: Top Overlay "1" at 418.295,127.3 h1 r180; Top Overlay "19" at 419.295,141.7 h1 r180; Top Overlay "20" at 411.695,141.2 h1 r180; Top Overlay "38" at 411.695,126.8 h1 r180; Mechanical 14 "38" at 411.695,126.8 h1 r180; Mechanical 14 "20" at 411.695,141.2 h1 r180; Mechanical 14 "19" at 419.295,141.7 h1 r180; Mechanical 14 "1" at 418.295,127.3 h1 r180